# Allegro board RK3588S_Template_LP4XD556P164SD10H2_33X33_2133MHz_H1R6_V10_20220315YWQ.brd (continued)
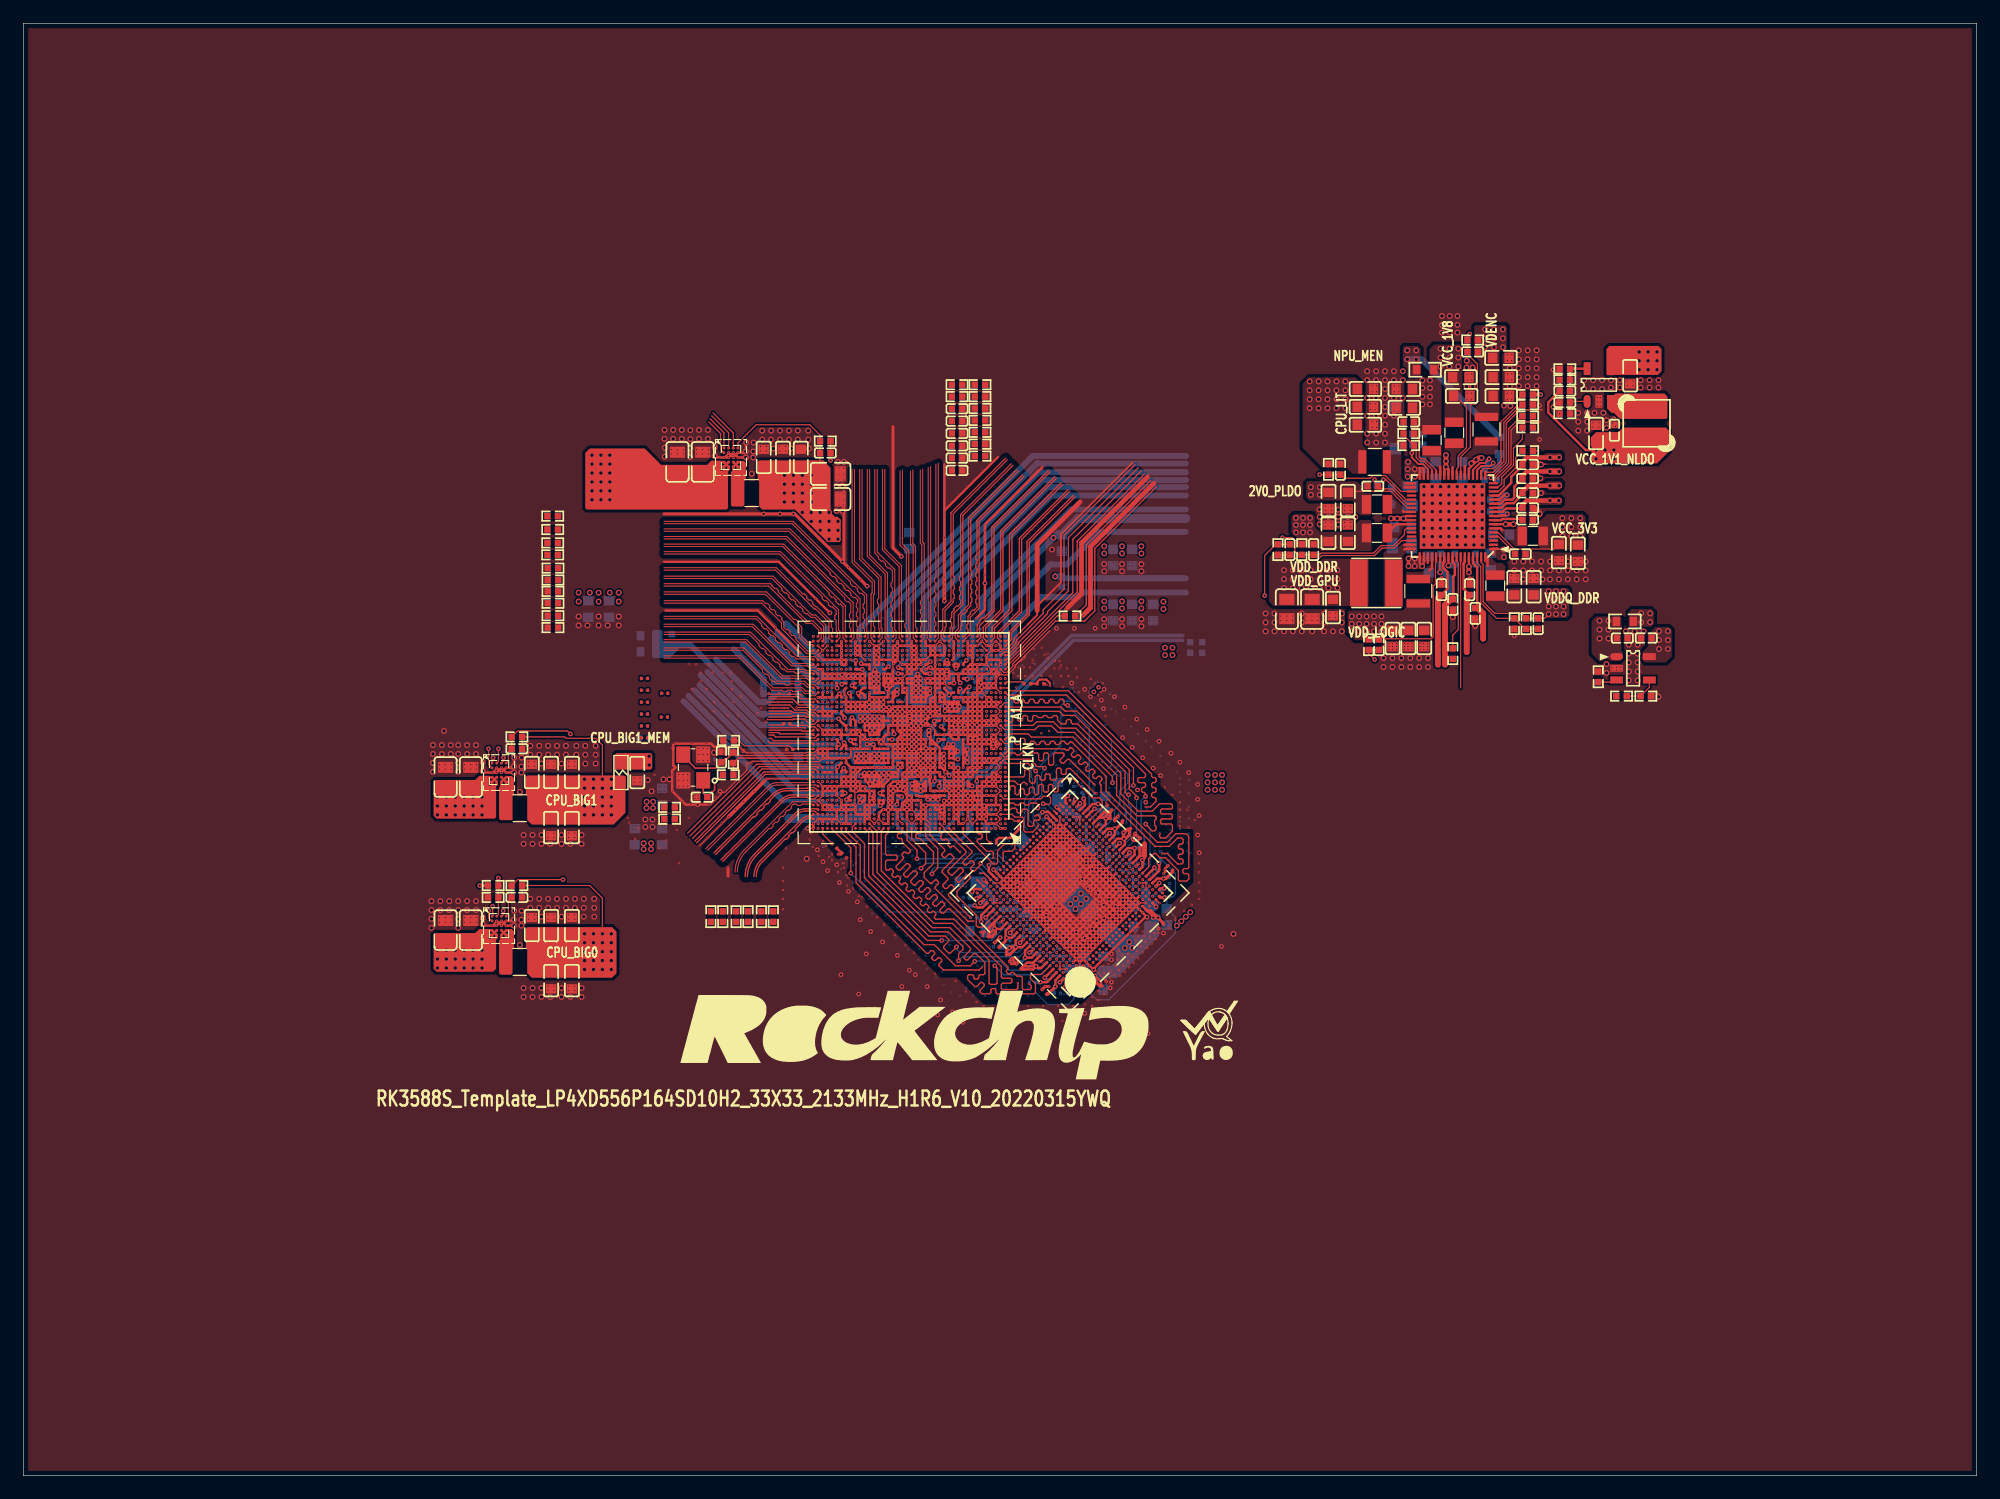
[diagram p0: board, top side]
## Routing (per net, layer and track width the routed paths; a pad name or vN(x,y) marks a point on that pad's centre or on a via; arc(x,y) is an arc through that point) (continued)
; v1(74.69,61.3) v7(75.09,61.3) ; v7(74.69,61.7) v7(75.09,61.7) ; v7(74.69,61.7) v7(74.69,62.1) ; v7(75.09,64.5) v7(74.69,64.5) ; v7(75.09,64.5) U1000.AD22 ; v7(75.09,64.5) v7(75.09,64.1) ; v7(74.69,64.5) v7(74.29,64.5) ; v7(74.69,64.5) v7(74.69,64.1) ; v7(92.8,50.92) v7(92.52,51.2) ; v7(92.8,50.92) v7(93.08,50.63) ; v7(92.8,50.92) 91.42,49.53 ; v7(92.8,50.92) v7(93.08,51.2) ; v7(92.52,51.2) 91.14,49.82 ; v1(91.11,52.61) v7(91.39,52.33) ; v1(91.11,52.61) v4(90.81,52.32) v4(86.87,48.38) v1(86.58,48.09) ; v1(91.11,52.61) v1(91.39,52.9) ; v7(91.39,52.33) 91.31,52.25 v4(91.31,51.82) 91.44,51.82 ; v7(91.39,52.33) v7(91.67,52.05) ; v7(91.39,52.33) v7(91.67,52.61) ; v7(91.39,52.33) 86.94,47.88 ; v1(79.89,56.5) v1(79.49,56.5) ; v1(79.89,56.5) 79.89,56.89 v7(79.88,56.9) ; v1(79.89,56.5) v7(79.89,56.1) ; v7(93.08,50.63) v7(93.37,50.35) ; v7(93.08,50.63) v7(88.56,46.11) ; v7(93.08,50.63) v7(93.37,50.92) ; v7(75.89,60.9) v1(76.29,60.9) ; v7(75.89,60.9) v1(75.89,61.3) ; v7(75.89,60.9) 75.51,60.9 75.49,60.88 ; v5(41.91,46.99) v1(41.24,46.99) v1(40.84,47.39) v1(40.44,46.99) v1(40.04,46.99) 39.37,46.99 v5(39.24,47.12) ; v7(86.01,52.61) v7(86.3,52.33) ; v7(86.01,52.61) v7(85.73,52.9) ; v7(86.01,52.61) v7(86.3,52.9) ; v7(88.28,45.82) v7(88.56,46.11) ; v7(88.28,45.82) v7(88.56,45.54) ; v7(88.28,45.82) v7(87.99,46.11) ; v7(88.56,46.11) v7(88.84,45.82) ; v7(88.56,46.11) v7(88.28,46.39) ; v1(85.19,50.63) 85.17,50.63 ; v1(85.19,50.63) 85.19,50.65 v4(85.43,50.88) ; 85.73,51.18 85.75,51.18 91.01,45.92 ; 85.73,51.18 85.73,51.2 v7(85.45,51.48) ; 85.73,51.18 85.44,50.88 ; 93.22,48.24 v1(93.37,48.09) ; 93.22,48.24 v7(87.71,53.74) ; v1(75.89,69.3) v7(75.49,69.3) ; v1(75.89,69.3) v1(75.89,68.9) ; v1(75.89,69.3) v7(75.89,69.7) ; v1(75.89,69.3) v1(76.29,69.3) ; v7(75.49,69.3) v1(75.09,69.3) ; v7(75.49,69.3) v1(75.49,68.5) v1(75.89,68.5) v1(75.89,68.9) ; v1(81.09,69.3) v7(81.49,69.3) ; v1(81.09,69.3) v1(81.09,69.7) v1(81.09,70.1) ; v1(81.09,69.3) v1(81.09,68.5) ; v7(81.49,69.3) 81.49,68.88 ; v7(81.49,69.3) v1(81.89,69.3) U1000.AT5 82.29,69.77 ; v7(71.09,70.5) v7(71.09,70.1) v1(71.49,70.1) v7(71.49,70.5) ; v7(71.09,70.5) v7(71.09,70.9) ; v7(71.09,70.5) v7(71.49,70.5) ; v7(68.29,65.3) v7(67.89,65.3) ; v7(68.29,65.3) v7(68.69,65.3) ; v7(68.29,65.3) v7(68.29,64.9) v7(68.69,64.9) ; v7(68.29,65.3) v1(68.29,65.7) ; v1(71.49,58.9) 71.49,58.54 71.45,58.5 ; v1(71.49,58.9) v1(71.89,58.9) 71.91,58.88 71.91,58.5 71.45,58.5 ; U1000.U20 v7(77.09,61.7) ; U1000.U20 76.29,61.67 ; U1000.U20 76.3,61.71 v4(76.3,62.08) ; v7(77.09,61.7) v1(77.09,61.3) ; v7(71.49,70.5) v7(71.49,70.9) v7(71.09,70.9) ; 74.68,69.7 v1(74.69,69.7) v7(74.69,70.15) ; 74.68,69.7 v1(74.37,69.39) 74.29,69.47 v1(74.29,69.7) ; 74.68,69.7 v1(74.29,69.7) ; v1(77.89,66.1) v1(77.89,66.5) ; v1(77.89,66.1) v1(77.89,65.7) ; v1(77.89,66.1) v1(77.49,66.1) ; v1(77.89,66.5) 77.7,66.5 77.62,66.42 v1(77.49,66.42) v1(77.49,66.1) ; v1(93.37,47.52) v1(93.65,47.24) ; v1(93.37,47.52) v1(93.08,47.24) ; v1(93.37,47.52) v1(93.65,47.8) ; v1(93.65,47.24) v1(93.37,46.96) ; v7(69.09,65.3) v7(69.09,64.9) v7(68.69,64.9) ; v7(69.09,65.3) v7(69.49,65.3) ; v7(69.09,65.3) v7(68.69,65.3) ; v1(92.24,45.82) v1(91.95,45.54) ; v1(92.24,45.82) v1(92.52,46.11) ; v7(90.26,44.41) v7(89.97,44.69) ; v7(90.26,44.41) v7(90.54,44.69) ; v7(90.26,44.41) v7(89.97,44.13) ; v7(89.97,44.69) v7(89.69,44.41) ; v7(89.97,44.69) v1(90.26,44.98) ; v7(89.97,44.69) v1(89.69,44.98) ; v1(74.29,69.7) v7(74.29,70.1) ; v1(74.29,69.7) v1(73.09,69.7) ; v7(74.29,70.1) 74.64,70.1 v7(74.69,70.15) ; v4(82.23,56.13) 82.2,56.1 v1(81.89,56.1) ; v4(82.23,56.13) 82.3,56.2 v7(82.3,56.5) v7(82.3,56.9) ; v4(82.23,56.13) 82.23,55.77 U1000.B5 82.29,55.7 v7(82.68,55.7) v1(83.09,55.7) ; 81.09,63.2 v4(80.91,63.01) ; v4(80.91,63.01) 80.69,63.22 ; v1(90.82,45.54) v1(91.11,45.26) ; v1(90.82,45.54) v1(91.11,45.82) ; v1(90.82,45.54) 90.68,45.69 ; v1(91.11,45.26) v1(90.82,44.98) ; v1(91.11,45.26) v1(91.39,45.54) ; v1(91.11,45.26) v1(91.39,44.98) ; v1(79.89,58.9) v4(79.89,58.5) ; v1(79.89,58.9) v1(80.29,58.9) ; v1(71.89,56.9) v1(72.29,56.9) ; v1(71.89,56.9) v1(71.89,57.3) v7(72.26,57.3) 72.29,57.3 ; v1(71.09,60.1) v1(70.69,60.1) ; v1(71.09,60.1) v7(71.09,60.5) ; v1(70.69,60.1) v1(70.69,59.7) ; v1(70.69,60.1) U1000.P34 ; 81.09,64.19 v1(81.09,63.7) ; 69.93,63.3 v1(69.49,63.3) ; 69.93,63.3 69.89,63.33 ; v1(69.49,63.3) v7(69.09,63.3) ; v1(69.49,63.3) v1(69.49,63.7) ; v7(70.29,66.1) v7(70.29,66.5) ; v7(70.29,66.1) v7(70.69,66.1) ; v7(70.29,66.1) v1(69.89,66.1) ; 55.52,62.15 55.45,62.15 ; 55.52,62.15 55.52,62.43 v1(55.63,62.53) v1(57.1,62.53) v1(58.37,62.53) 58.75,62.53 59,62.28 v1(59.45,62.28) ; v1(84.88,51.48) v7(85.17,51.76) ; v1(84.88,51.48) v1(84.6,51.2) ; v7(90.26,53.46) v7(90.54,53.74) ; v7(90.26,53.46) v7(89.97,53.74) ; v4(80.42,64.11) 80.37,64.16 ; 80.37,64.16 v4(80.01,64.16) ; v1(79.89,68.5) v1(79.49,68.5) v1(78.29,68.5) ; v1(79.89,68.5) v1(80.29,68.5) ; v1(79.89,68.5) v1(79.89,68.1) 79.89,67.96 80.04,67.82 v4(80.04,67.74) ; v4(74.66,70.9) v7(75.09,70.9) v7(75.49,70.9) v7(75.89,70.9) ; v4(74.66,70.9) 74.69,70.94 ; U1000.AU4 v7(83.49,69.7) v1(83.49,69.3) ; 83.27,87.04 78.69,82.46 ; 78.69,82.46 78.69,86.41 ; 78.69,82.46 v7(78.69,80.14) ; v7(88.56,45.54) v7(88.84,45.82) ; v7(88.56,45.54) v7(88.84,45.26) ; v7(70.69,66.1) 71.07,66.1 ; v7(70.69,66.1) 70.69,66.1 v1(70.69,65.7) ; 71.07,66.1 71.09,66.08 v1(71.09,65.7) ; 71.07,66.1 v7(71.09,66.1) 71.45,66.1 ; v7(71.09,68.5) v7(70.69,68.5) ; v7(71.09,68.5) v1(71.49,68.5) ; v7(80.69,66.15) 80.64,66.1 v7(80.29,66.1) v1(80.29,66.5) ; v7(80.69,66.15) 80.74,66.1 v7(81.09,66.1) ; v7(80.69,66.15) v1(80.69,66.5) ; 73.86,68.5 73.89,68.47 73.89,67.13 ; 73.86,68.5 v1(74.29,68.5) ; v7(73.89,58.9) v1(74.29,58.9) ; v7(73.89,58.9) v7(73.89,58.5) ; v1(74.29,58.9) v7(75.09,58.9) ; v1(74.29,58.9) 74.29,58.44 ; v7(76.69,63.3) v7(76.69,62.9) ; v7(76.69,63.3) v4(76.29,63.3) ; v7(76.69,63.3) v1(76.69,63.7) ; v7(76.69,62.9) v1(76.69,62.5) ; v7(76.69,62.9) v7(77.09,62.9) v1(77.09,62.5) ; v7(76.69,62.9) v4(76.29,62.9) ; v7(82.29,66.1) v1(81.86,66.1) ; v7(82.29,66.1) v1(82.29,65.7) ; v7(82.29,66.1) U1000.AJ5 ; v7(82.29,66.1) v7(82.69,66.1) ; v1(81.86,66.1) 81.89,66.07 v1(81.89,65.7) ; v1(81.86,66.1) U1000.AH7 ; v1(76.29,61.3) v1(76.29,60.9) ; v1(76.29,61.3) v1(75.89,61.3) ; v1(76.29,61.3) 76.62,61.3 v4(76.66,61.26) ; v1(76.29,61.3) v7(76.29,61.65) 76.29,61.67 ; v1(76.29,60.9) 76.29,60.46 v4(76.3,60.45) ; v1(76.29,60.9) 76.62,60.9 v4(76.66,60.86) ; v1(90.26,44.98) v7(90.54,44.69) ; v1(90.26,44.98) v4(89.97,45.26) ; v7(87.15,47.52) 89.09,49.47 ; v7(87.15,47.52) 87.38,47.75 v4(87.38,47.88) 86.94,47.88 ; v7(87.15,47.52) v7(86.86,47.24) ; v7(87.15,47.52) v7(87.43,47.24) ; 89.09,49.47 89.09,49.54 ; 89.09,49.47 91.44,51.82 ; v1(92.24,46.96) v1(92.52,46.67) ; v1(92.24,46.96) v1(91.95,46.67) ; v1(92.24,46.96) v1(91.31,47.88) 90.75,48.45 ; v1(92.24,46.96) v1(92.52,47.24) ; v1(92.52,46.67) v1(92.8,46.39) ; v1(92.52,46.67) v1(92.8,46.96) ; v7(73.49,65.3) v1(73.49,66.5) ; v7(73.49,65.3) v7(73.09,65.3) ; v7(73.49,65.3) v7(73.89,65.3) ; v1(73.49,66.5) v1(73.89,66.5) v1(73.89,66.9) 73.89,67.13 ; v1(73.49,66.5) v1(73.09,66.5) ; v1(93.37,48.09) v1(93.65,47.8) ; v1(69.49,58.47) 69.49,58.87 v1(69.47,58.9) v1(69.92,58.9) ; v1(69.49,58.47) 69.46,58.5 v7(69.09,58.5) ; v1(69.49,58.47) v1(69.49,58.1) ; v7(68.29,66.5) v7(68.29,66.9) ; v7(68.29,66.5) v7(68.69,66.5) v7(69.09,66.5) v1(69.09,66.9) ; v7(68.29,66.5) v7(67.89,66.5) ; v7(69.89,69.7) v1(70.29,69.7) v7(70.29,69.3) v1(69.89,69.3) v7(69.89,69.7) ; v7(69.89,69.7) v1(69.89,70.1) v7(69.89,70.5) v7(69.89,70.9) ; v7(75.09,61.7) v7(75.09,62.1) ; v7(75.09,61.7) v7(75.49,61.7) v7(75.89,61.7) ; v7(75.09,61.7) v7(75.09,61.3) ; v7(75.09,62.1) v7(74.69,62.1) ; v7(75.09,62.1) v7(75.09,62.5) ; v1(91.11,45.82) v1(91.39,46.11) ; v1(91.11,45.82) v1(91.39,45.54) ; v1(91.11,45.82) 91.01,45.92 ; v1(91.39,46.11) v1(91.67,46.39) ; v1(91.39,46.11) v1(91.67,45.82) ; v1(91.39,46.11) v7(85.73,51.76) ; v1(72.29,66.5) v1(72.69,66.5) ; v1(72.29,66.5) v7(72.29,66.9) ; v1(72.29,66.5) v7(72.29,65.3) ; v1(72.69,66.5) v1(72.69,66.13) U1000.AH29 ; v1(72.69,66.5) v1(73.09,66.5) ; v4(75.9,62.08) 75.89,62.08 v4(75.89,62.5) ; v4(75.9,62.08) 75.89,62.07 v7(75.89,61.7) ; v4(75.9,62.08) v4(76.3,62.08) ; v4(89.97,45.26) 84.88,50.35 ; v4(89.97,45.26) v1(89.69,44.98) ; 84.88,50.35 84.88,50.38 ; 84.88,50.35 84.88,50.38 ; 84.88,50.35 84.88,50.35 85.17,50.63 ; 84.88,50.35 v7(84.6,50.07) ; v4(76.66,64.03) 76.69,64.07 ; v4(76.66,64.03) 76.66,63.73 v1(76.69,63.7) ; v7(89.41,44.69) v7(89.69,44.41) ; v7(89.41,44.69) v7(89.13,44.98) ; v7(89.41,44.69) v1(89.69,44.98) ; v7(89.69,44.41) v7(89.97,44.13) ; v7(76.69,64.5) 76.69,64.07 ; v7(76.69,64.5) U1000.AE19 ; v7(76.69,64.5) 77.03,64.5 v4(77.06,64.47) ; v4(78.51,56.82) 78.69,56.64 ; v4(78.51,56.82) 78.29,56.6 ; v7(72.29,65.3) v7(72.69,65.3) ; v1(83.49,59.3) U1000.L3 v1(82.29,59.3) ; v7(69.09,68.5) v7(69.09,68.1) ; v7(69.09,68.5) v7(69.49,68.5) ; v7(69.09,68.5) v7(68.69,68.5) ; v7(69.09,68.1) v1(69.49,68.1) ; v7(69.09,68.1) v7(68.69,68.1) ; v7(75.49,66.9) v7(75.49,67.3) v1(75.09,67.3) ; v7(75.49,66.9) v1(75.49,65.7) ; v7(75.49,66.9) 75.09,66.9 v1(75.09,67.3) ; v7(84.03,50.63) v7(83.75,50.92) ; v7(89.41,54.31) v7(89.69,54.59) ; v7(89.41,54.31) v7(89.69,54.03) ; v1(81.89,57.7) 81.89,57.7 81.89,59.31 ; v1(81.89,57.7) v1(81.89,56.1) ; v1(81.89,57.7) v1(81.09,57.7) ; v7(93.37,50.35) v7(88.84,45.82) ; v7(93.37,50.35) v7(93.65,50.63) ; v7(73.09,65.7) v7(73.09,65.3) ; v7(73.09,65.7) 73.47,65.7 v4(73.51,65.66) ; v7(73.09,65.7) v1(73.09,66.1) ; v7(73.09,65.7) v7(72.69,65.7) ; v7(73.09,65.3) v7(72.69,65.3) ; 83.09,67.74 v1(83.09,68.1) v7(83.09,68.5) ; 83.09,67.74 83.04,67.69 v1(82.69,67.69) ; v4(76.66,60.86) 76.66,60.53 v7(76.69,60.5) ; v4(76.66,60.86) 77.04,60.86 v4(77.06,60.88) ; v4(76.66,60.86) v4(76.66,61.26) ; v7(71.09,70.9) v7(71.09,71.3) ; v1(80.69,57.7) v1(81.09,57.7) ; v1(80.69,57.7) v1(80.69,57.3) ; v1(80.69,57.7) v1(80.69,58.5) ; 91.01,45.92 v4(90.68,45.92) 90.68,45.85 ; v1(80.69,68.5) v1(81.09,68.5) ; v1(80.69,68.5) v1(80.29,68.5) ; v1(81.09,68.5) v1(81.49,68.5) ; v1(74.29,68.9) v1(74.29,68.5) ; v1(74.29,68.5) v1(74.29,68.1) ; 88.91,49.15 v1(89.03,49.15) ; 88.91,49.15 88.94,49.12 ; v4(85.43,50.88) 85.44,50.88 ; 72.29,57.3 v1(72.69,57.3) v1(72.69,57.7) ; 72.29,57.3 v1(72.29,56.9) ; v1(70.29,59.7) v1(69.89,59.7) v1(69.89,59.3) ; v1(70.29,59.7) v1(70.69,59.7) ; v1(70.29,59.7) v1(70.29,59.3) ; v7(73.89,58.09) 73.9,58.1 v1(74.29,58.1) ; v7(73.89,58.09) U1000.G26 ; v7(73.89,58.09) v7(73.89,58.5) ; v7(75.89,60.1) 76.35,60.1 ; v7(75.89,60.1) v7(75.49,60.1) ; v1(80.29,56.9) 80.29,56.9 v7(82.3,56.9) ; v1(80.29,56.9) 79.89,56.9 v7(79.88,56.9) ; v1(86.82,43.92) 86.93,43.92 v7(87.15,44.13) ; v7(81.09,70.9) v7(81.49,70.9) ; v7(81.09,70.9) v7(80.69,70.9) ; v7(81.09,70.9) v7(81.09,70.5) ; v1(73.49,62.9) v1(72.29,62.9) v1(71.89,62.9) ; v1(73.49,62.9) 73.49,63.1 73.7,63.3 v1(73.89,63.3) v7(73.89,64.1) v7(74.29,64.1) ; v1(73.49,62.9) v7(73.49,62.51) 73.48,62.5 ; v1(75.49,58.5) v7(75.49,58.9) ; v1(75.49,58.5) U1000.J24 ; v7(75.49,58.9) v1(75.49,59.3) ; v7(75.49,58.9) v7(75.09,58.9) ; 71.89,56.06 v7(71.89,55.7) ; v4(77.49,64.9) v1(77.89,64.9) ; v4(77.49,64.9) 77.49,64.89 v4(77.06,64.47) ; v4(77.49,64.9) v7(77.49,65.3) ; v4(77.49,64.9) 77.09,64.9 v4(77.06,64.87) ; v1(77.89,64.9) v7(77.89,65.3) ; v1(77.89,64.9) v1(78.69,64.9) ; v7(74.69,62.1) v7(74.29,62.1) ; v7(74.69,62.1) v1(74.69,62.5) ; v7(88.28,46.39) 89.69,47.81 ; v7(88.28,46.39) v7(87.99,46.67) ; v7(88.28,46.39) v7(87.99,46.11) ; v7(94.78,48.94) v7(94.5,49.22) ; v7(94.78,48.94) v7(94.5,48.65) ; v7(94.78,48.94) v7(95.06,48.65) ; v1(78.29,68.9) 78.67,68.9 ; v1(78.29,68.9) v1(78.29,68.5) ; 78.67,68.9 v1(79.06,68.9) 79.09,68.86 v1(79.09,68.1) v1(78.69,68.1) ; 78.67,68.9 v1(78.69,68.88) v1(78.69,68.1) ; v1(92.8,46.96) v1(93.08,46.67) ; v1(92.8,46.96) v1(92.52,47.24) ; v1(92.8,46.96) v1(93.08,47.24) ; v1(93.08,46.67) v1(92.8,46.39) ; v1(93.08,46.67) v1(93.37,46.96) ; v1(81.09,60.5) v7(80.69,60.5) U1000.N9 ; v1(81.09,60.5) v1(81.49,60.5) ; v7(83.09,64.5) 83.09,64.91 v1(83.08,64.92) 82.73,64.92 v7(82.69,64.89) 82.68,64.87 v7(82.68,64.52) ; v7(83.09,64.5) 83.08,64.52 v7(82.68,64.52) ; v7(83.09,64.5) v7(83.09,64.1) v7(82.69,64.1) ; v7(83.09,64.5) v7(83.49,64.5) ; U1000.K36 v1(69.92,58.9) ; v1(69.92,58.9) 69.89,58.93 v1(69.89,59.3) ; v1(69.92,58.9) v1(70.29,58.9) ; 80.69,63.22 v1(80.69,63.3) ; v7(93.08,51.2) v7(93.37,51.48) ; v7(93.08,51.2) v7(93.37,50.92) ; v1(69.49,56.9) 69.49,56.9 v7(69.49,56.1) ; v1(69.49,56.9) v1(69.09,56.9) ; v1(69.49,56.9) v7(69.89,56.9) 69.93,56.9 ; v1(81.49,60.5) v1(81.49,60.1) U1000.N9 ; v1(70.29,57.3) v1(70.69,57.3) v1(71.09,57.3) v1(71.09,56.9) ; v1(70.29,57.3) v1(69.89,57.3) ; v1(70.29,57.3) v7(70.29,56.9) ; v4(76.4,60.05) 76.4,59.74 76.43,59.72 ; v4(76.4,60.05) 76.63,60.05 v1(76.71,60.12) ; v4(76.4,60.05) 76.35,60.1 ; v7(85.45,52.05) v7(85.73,51.76) ; v7(85.45,52.05) v7(85.17,51.76) ; v7(85.45,52.05) v7(85.17,52.33) ; v7(85.73,51.76) v7(85.45,51.48) ; v7(75.09,58.9) 74.75,58.9 v4(74.73,58.93) 74.69,58.96 ; v7(75.09,58.9) 75.09,58.66 v4(75.18,58.57) ; v7(75.09,58.9) v1(75.09,59.3) ; v1(70.29,59.3) v1(70.69,59.3) ; v1(70.29,59.3) v1(69.89,59.3) ; v1(70.29,59.3) v1(70.29,58.9) ; v1(70.69,59.3) v1(70.69,59.7) ; v7(76.69,60.5) 76.69,60.14 v1(76.71,60.12) ; v7(76.69,60.5) 76.64,60.45 v4(76.3,60.45) ; v7(76.69,60.5) v7(75.49,60.5) 75.49,60.5 ; v7(76.69,60.5) v7(77.09,60.5) ; 85.17,50.63 v1(84.88,50.92) ; v1(77.09,64.1) 76.72,64.1 76.69,64.07 ; v1(77.09,64.1) 77.43,64.1 ; v1(77.09,64.1) 77.06,64.13 v4(77.06,64.47) ; v7(68.69,63.3) v7(68.69,63.7) ; v7(68.69,63.3) v7(69.09,63.3) ; v7(68.69,63.3) v7(68.29,63.3) v7(68.29,63.7) v7(68.69,63.7) ; v7(68.69,63.7) v7(69.09,63.7) ; v1(78.29,56.5) v7(78.29,56.1) v7(78.69,56.1) ; v1(78.29,56.5) 78.29,56.6 ; v1(78.29,56.5) v7(78.69,56.5) ; v1(80.29,66.5) v1(80.69,66.5) ; v1(80.29,66.5) v1(79.89,66.5) v1(79.49,66.5) ; v1(80.69,66.5) v1(81.09,66.5) ; v7(85.17,49.5) v7(89.69,54.03) ; v7(85.17,49.5) v7(84.88,49.22) ; v7(69.09,63.7) v7(69.09,63.3) ; v7(69.09,63.7) v1(69.49,63.7) ; v7(87.99,46.67) v1(87.71,46.39) ; v7(87.99,46.67) v1(87.71,46.96) ; v7(87.99,46.67) 89.39,48.07 ; v1(77.09,71.3) v1(77.09,70.9) v7(77.49,70.9) ; v7(92.24,52.05) v7(91.95,52.33) ; v7(85.45,51.48) v7(85.17,51.76) ; v1(73.09,66.1) 73.42,66.1 v4(73.46,66.07) 73.51,66.01 v4(73.51,65.66) ; v1(73.09,66.1) v1(73.09,66.5) ; v1(73.09,66.1) U1000.AH29 ; v1(74.69,63.7) v7(74.69,64.1) ; v1(74.69,63.7) v1(75.09,63.7) ; v7(74.69,64.1) v7(75.09,64.1) ; v7(74.69,64.1) v7(74.29,64.1) ; v1(90.82,53.46) v7(90.54,53.74) ; v1(90.82,53.46) v1(91.11,53.74) ; v1(90.82,53.46) v7(91.11,53.18) ; v7(90.54,53.74) v7(90.26,54.03) ; U1000.AD22 U1000.AE22 ; U1000.AD22 v7(75.49,64.1) ; U1000.AE22 75.49,65.25 75.49,65.25 ; 73.48,62.5 v7(73.14,62.5) 73.09,62.54 v7(73.09,62.9) ; 73.48,62.5 v1(73.89,62.5) v1(74.69,62.5) ; v7(75.09,59.7) v7(75.49,59.7) ; v7(75.09,59.7) v1(75.09,59.3) ; v7(75.09,59.7) 75.09,59.98 75.21,60.1 v7(75.49,60.1) ; v7(75.49,59.7) v1(75.49,59.3) ; v7(75.49,59.7) v7(75.49,60.1) ; v7(89.69,54.03) v7(89.97,53.74) ; v7(89.69,54.03) v7(89.97,54.31) ; v7(89.97,53.74) v7(90.26,54.03) ; v7(81.49,62.1) v1(81.89,62.1) ; v7(81.49,62.1) v1(81.49,61.7) ; v7(81.49,62.1) v1(81.09,62.1) ; v7(81.49,62.1) v7(81.49,62.5) ; v1(81.49,68.5) 81.49,68.88 ; v1(81.49,68.5) v1(81.89,68.5) ; v7(82.69,64.1) v1(82.29,64.1) ; v7(82.69,64.1) 82.69,64.5 v7(82.68,64.52) ; 71.49,65.8 v4(71.68,65.99) 71.89,65.78 ; 71.49,65.8 71.49,66.06 71.45,66.1 ; 71.49,65.8 v1(71.49,65.7) ; v4(88.84,54.31) v1(88.56,54.59) ; v4(88.84,54.31) v1(88.56,54.59) ; v1(88.56,54.59) v1(88.28,54.88) ; v1(88.56,54.59) v7(88.28,54.31) ; v7(72.69,65.7) U1000.AH29 ; v7(72.69,65.7) v7(72.69,65.3) ; 77.49,61.33 77.52,61.3 v1(77.89,61.3) ; 77.49,61.33 77.47,61.3 v1(77.09,61.3) ; v7(68.69,68.5) v7(68.69,68.1) ; v7(68.69,68.5) v7(68.29,68.5) ; v7(68.69,68.1) v7(68.29,68.1) v7(68.29,68.5) ; v7(73.89,65.3) 74.27,65.3 v4(74.27,65.3) ; v4(87.42,56.3) v1(87.71,56.01) v7(87.99,55.72) v7(88.28,55.44) ; v1(71.49,65.3) v1(71.49,65.7) ; v1(71.49,65.3) v1(71.09,65.3) ; v1(71.49,65.7) v1(71.09,65.7) ; v1(84.6,51.2) v1(84.88,50.92) ; v1(80.29,59.7) 80.29,60.05 v1(80.34,60.1) ; v1(80.29,59.7) v1(79.89,59.7) v1(79.49,59.7) ; v7(79.88,57.28) 79.86,57.3 v7(79.5,57.3) 79.5,57.3 v1(79.09,57.3) ; v7(79.88,57.28) v7(79.88,56.9) ; v1(79.49,60.5) 79.49,56.1 v7(79.49,56.1) v7(79.89,56.1) ; v1(79.49,60.5) v1(79.49,60.9) v1(79.09,60.9) v1(79.09,60.5) v1(79.49,60.5) ; v7(85.73,52.9) v7(86.01,53.18) ; v7(85.73,52.9) v7(85.45,52.61) ; v7(86.01,53.18) v7(86.3,52.9) ; v7(86.01,53.18) v7(86.3,53.46) ; v1(77.89,61.3) 77.89,61.3 v7(77.89,60.9) ; v1(80.69,64.5) v1(80.69,63.7) ; v4(77.06,60.88) 77.09,60.91 v1(77.09,61.3) ; v4(77.06,60.88) 77.09,60.86 v7(77.09,60.5) ; v1(91.67,46.39) v1(91.95,46.67) ; v1(91.67,46.39) 91.34,46.72 v4(91.31,46.72) 91.31,46.75 90.24,47.82 v1(90.24,47.82) 90.24,47.82 90.18,47.88 ; 82.25,58.9 82.29,58.94 v1(82.29,59.3) ; 82.25,58.9 v7(82.29,58.9) v7(82.76,58.9) ; 82.25,58.9 81.49,58.9 ; 74.69,70.94 v1(74.69,71.3) ; 74.69,70.94 v7(74.69,70.54) ; v1(77.89,65.7) v7(77.89,65.3) ; v1(77.89,65.7) v1(78.29,65.7) 78.29,65.3 v4(78.21,65.22) ; v1(77.89,65.7) v1(77.49,65.7) ; v7(86.3,52.33) 89.09,49.54 ; v7(86.3,52.33) v7(86.58,52.61) ; v1(74.29,67.7) v1(74.29,68.1) ; v1(74.29,67.7) 74.29,67.53 73.89,67.13 ; v1(74.29,67.7) v1(75.09,67.7) ; 74.69,58.96 U1000.J24 ; v7(78.69,70.9) v7(78.69,70.5) v1(78.69,70.1) v7(78.29,70.1) v1(77.89,70.1) ; 89.09,49.54 89.22,49.4 ; v1(76.69,57.3) v7(76.69,56.9) ; v1(69.09,56.9) v7(69.09,57.3) v7(68.69,57.3) ; v1(69.09,56.9) v7(68.69,56.9) ; v1(79.49,64.9) v1(79.89,64.9) ; v1(79.49,64.9) v1(79.09,64.9) ; v1(79.49,64.9) v1(79.49,64.5) ; v1(93.65,47.8) v1(93.93,48.09) ; v7(86.86,53.46) v7(87.15,53.74) ; v7(86.86,53.46) v7(86.58,53.74) ; v7(86.86,53.46) v7(86.58,53.18) ; v7(87.15,53.74) v7(86.86,54.03) ; v7(87.15,53.74) v7(87.43,54.03) ; v7(87.15,53.74) v7(87.43,53.46) ; v1(81.89,65.7) v1(81.49,65.7) ; v1(81.89,65.7) v1(82.29,65.7) ; v1(81.89,65.7) v7(81.89,64.9) ; v1(81.49,65.7) v1(81.49,65.3) ; v1(81.49,65.7) v1(81.09,65.7) ; v1(81.49,65.7) U1000.AH7 ; v1(80.29,58.5) v1(80.69,58.5) ; v1(80.29,58.5) v1(80.29,58.9) ; v1(80.29,58.5) v4(79.89,58.5) ; v4(82.89,51.78) v7(83.19,51.48) v7(83.47,51.2) v7(83.75,50.92) ; v1(75.09,63.7) v7(75.49,63.7) ; v1(75.09,63.7) v7(75.09,64.1) ; v7(75.49,63.7) v7(75.49,64.1) ; v7(82.69,60.9) v7(82.69,61.3) ; v7(75.09,62.9) v7(75.49,62.9) ; v7(75.09,62.9) v1(74.69,62.9) ; v7(75.09,62.9) v7(75.09,62.5) ; v7(75.49,62.9) v4(76.29,62.9) ; v7(75.49,62.9) v7(75.49,62.5) ; v7(77.89,65.3) 78.13,65.3 v4(78.21,65.22) ; v7(77.89,65.3) v7(77.49,65.3) ; v7(81.49,56.5) v7(81.49,56.1) v1(81.89,56.1) ; v7(81.49,56.5) v7(81.49,57.3) ; v7(81.49,56.5) 81.49,56.5 v1(82.69,56.5) ; v7(78.69,56.5) 78.69,56.64 ; v7(78.69,56.5) v7(78.69,56.1) ; 78.69,56.64 v1(78.69,57.3) ; v1(70.14,67.07) 70.14,67.14 v1(70.29,67.3) ; v1(82.29,65.7) v7(82.69,65.7) ; 82.37,57.3 v7(82.69,57.3) v7(83.09,57.3) ; 82.37,57.3 82.3,57.22 v7(82.3,56.9) ; 82.37,57.3 v7(81.49,57.3) ; v1(87.71,54.88) v1(87.99,54.59) ; v1(87.71,54.88) v7(87.43,54.59) ; v1(87.71,54.88) v7(87.99,55.16) ; v1(87.99,54.59) v7(87.71,54.31) ; v1(87.99,54.59) v1(88.28,54.88) ; v1(87.99,54.59) v7(88.28,54.31) ; v7(91.67,52.61) v7(91.95,52.33) ; v7(91.67,52.61) v1(91.39,52.9) ; v7(91.95,52.33) v7(91.67,52.05) ; v7(75.89,70.9) v7(75.89,70.5) ; v7(75.89,70.9) v7(76.29,70.9) v7(76.29,70.5) ; v7(75.89,70.9) v1(75.89,71.3) ; v7(90.26,54.03) v7(89.97,54.31) ; v7(75.49,60.1) 75.49,60.5 ; 75.49,60.5 75.49,60.88 ; v7(84.88,49.22) v7(85.17,48.94) ; v7(85.17,48.94) v7(85.45,48.65) ; v1(74.29,56.9) 74.22,56.97 v1(74.22,57.33) ; v1(74.29,56.9) 73.92,56.9 v4(73.89,56.87) 73.86,56.9 v1(73.49,56.9) 73.41,56.9 v7(73.09,56.58) v7(73.09,56.1) ; v1(74.29,56.9) 74.75,56.9 ; v7(74.29,64.5) v7(74.29,64.1) ; v7(91.67,52.05) 91.44,51.82 ; v1(77.49,65.7) v7(77.49,65.3) ; v1(77.49,65.7) v1(77.49,66.1) ; v7(76.69,56.9) v7(77.09,56.9) ; v7(75.49,64.1) v7(75.09,64.1) ; v7(88.84,45.82) v7(89.13,45.54) ; 73.09,70.21 v4(73.03,70.15) 72.98,70.1 v7(72.69,70.1) ; 73.09,70.21 v7(73.09,70.5) ; 73.09,70.21 v1(73.09,69.7) ; v1(82.29,64.5) 82.31,64.52 v7(82.68,64.52) ; v1(82.29,64.5) v1(82.29,64.1) ; v1(81.49,58.9) 81.49,58.9 ; 81.49,58.9 81.49,58.89 v1(81.49,58.5) ; v7(69.49,68.5) v1(69.49,68.1) ; v7(69.49,68.5) 70.02,68.5 ; v1(93.37,46.96) v1(93.08,47.24) ; 69.93,56.9 69.89,56.93 v1(69.89,57.3) ; 69.93,56.9 v7(70.29,56.9) ; v7(69.09,55.7) 69.09,56.05 v7(69.04,56.1) ; v1(76.69,62.5) v1(77.09,62.5) ; v1(76.69,62.5) v4(76.29,62.5) ; v1(91.67,53.18) v1(91.39,52.9) ; v1(91.39,52.9) v7(91.11,53.18) ; v1(86.01,48.65) U3700.AC12 ; v1(86.01,48.65) v1(85.73,48.37) ; U3700.AC12 v7(86.01,48.09) ; U3700.AC12 v1(86.58,48.09) ; v7(75.89,70.1) v7(76.29,70.1) ; v7(75.89,70.1) v7(75.89,69.7) ; v7(75.89,70.1) v7(75.89,70.5) ; v7(76.29,70.1) v1(76.29,69.3) ; v7(76.29,70.1) v7(76.29,70.5) ; v1(74.69,62.5) v1(74.69,62.9) ; v1(74.69,62.5) v7(75.09,62.5) ; v1(67.49,55.7) v7(67.49,55.3) ; v7(74.69,70.15) v7(74.69,70.54) ; v7(68.29,61.7) v7(68.69,61.7) ; v7(68.29,61.7) v7(67.89,61.7) v7(67.89,62.1) v7(68.29,62.1) ; v7(68.29,61.7) v7(68.29,62.1) ; v7(68.69,61.7) v7(68.69,62.1) ; v7(93.65,50.63) v7(93.93,50.35) ; v7(93.65,50.63) v7(93.37,50.92) ; v7(70.29,68.5) v7(70.69,68.5) ; v7(70.29,68.5) v1(70.29,68.1) ; v7(70.29,68.5) 70.02,68.5 ; v7(70.69,68.5) v1(70.69,68.1) ; v7(89.97,54.31) v7(89.69,54.59) ; v7(89.97,44.13) v1(89.69,43.84) ; v1(86.58,48.09) v1(86.3,47.8) ; 74.69,56.84 74.75,56.9 ; 74.69,56.84 v7(74.69,56.52) U1000.C24 ; 74.69,56.84 v7(74.69,56.9) ; v7(77.49,70.5) 77.49,70.1 v1(77.89,70.1) ; v7(77.49,70.5) v7(77.89,70.5) ; v7(77.49,70.5) v7(77.49,70.9) ; v7(75.49,62.5) v7(75.09,62.5) ; v7(75.49,62.5) v4(75.89,62.5) ; v7(90.54,44.69) v1(90.82,44.98) ; v1(72.69,57.7) v1(72.69,58.1) ; v4(75.08,65.25) 75.06,65.28 v4(74.68,65.28) ; v4(75.08,65.25) 75.09,65.26 v1(75.09,65.7) ; v4(75.08,65.25) 75.49,65.25 ; v1(87.71,46.96) v7(87.43,46.67) ; v1(87.71,46.96) 89.1,48.35 ; v1(87.71,46.96) v7(87.43,47.24) ; v7(87.43,46.67) v1(87.71,46.39) ; v7(87.43,46.67) v7(87.15,46.39) ; v7(87.43,46.67) v7(87.15,46.96) ; v7(83.75,47.52) 83.52,47.29 v1(83.49,47.29) ; 82.63,68.5 82.69,68.57 v1(82.69,68.9) v7(83.09,68.9) v7(83.09,68.5) ; 82.63,68.5 v7(82.69,68.5) v7(83.09,68.5) ; 82.63,68.5 v1(82.29,68.5) v1(81.89,68.5) ; v7(87.71,53.74) v7(87.99,54.03) ; v7(87.71,53.74) v7(87.43,53.46) ; v7(87.71,53.74) v7(87.43,54.03) ; v7(75.89,70.5) v7(76.29,70.5) ; v7(91.67,55.44) v1(91.93,55.7) ; v1(91.95,46.67) 90.46,48.16 ; v1(77.09,61.3) 76.69,61.3 v4(76.66,61.26) ; v7(87.99,54.03) v7(87.71,54.31) ; v7(87.99,54.03) v7(88.28,54.31) ; v1(71.09,65.7) v1(71.09,65.3) ; v1(71.09,65.7) v1(70.69,65.7) ; v1(67.89,56.1) v7(68.28,56.1) ; v7(68.28,56.1) 68.29,56.08 v1(68.29,55.7) ; v7(68.28,56.1) v1(68.69,56.1) v7(69.04,56.1) ; U1000.D4 v7(83.09,56.5) ; 82.76,58.95 v2(82.76,58.95) ; 82.76,58.95 v7(82.76,58.9) ; 82.76,58.95 v7(82.76,59.31) v7(82.76,59.69) ; v7(77.09,59.7) v7(77.49,59.7) ; v7(77.09,59.7) v1(77.09,60.1) ; v7(73.89,58.5) 74.35,58.5 ; v1(71.49,62.1) v1(71.09,62.1) v7(70.72,62.1) U1000.V34 ; v1(71.49,62.1) v1(72.29,62.1) ; v7(87.71,54.31) v7(87.43,54.03) ; v7(87.71,54.31) v7(87.43,54.59) ; 88.37,55.35 v7(88.28,55.44) ; 88.37,55.35 v7(88.28,55.44) ; v7(88.28,55.44) v7(87.99,55.16) ; v7(79.89,56.1) v7(79.89,55.7) v1(80.29,55.7) ; v4(77.06,64.47) v4(77.06,64.87) ; v4(77.06,64.47) 77.43,64.1 ; 76.35,60.1 76.3,60.15 v4(76.3,60.45) ; 79.1,58.51 79.09,58.5 v1(78.69,58.5) ; 79.1,58.51 v1(79.1,58.09) ; v1(72.29,58.5) v1(72.69,58.5) v1(72.69,58.1) ; v1(72.29,58.5) v7(71.89,58.5) ; v7(82.76,58.9) v1(83.09,58.9) ; v5(59.05,87.12) 59.18,87 v1(59.85,87) v1(60.25,87) v1(60.65,87.39) v1(61.05,87) v5(61.72,87) ; v1(91.67,45.82) v1(91.95,45.54) ; v1(91.67,45.82) v1(91.39,45.54) ; v1(75.09,59.3) v1(75.49,59.3) ; v7(81.49,62.5) v1(82.29,62.5) ; v7(81.49,62.5) 81.49,63.15 ; v1(82.29,62.5) 82.84,62.5 82.86,62.53 82.87,62.53 82.9,62.5 v1(83.49,62.5) ; v1(82.29,62.5) v1(82.29,62.9) ; v7(69.89,70.9) v7(69.49,70.9) ; v7(69.89,70.9) v7(69.89,71.3) ; v7(77.49,70.9) v7(77.89,70.9) v7(77.89,70.5) ; U1000.P34 v7(71.09,60.5) ; v1(75.89,68.9) v1(76.29,68.9) v1(76.29,69.3) ; v1(75.89,68.9) v1(75.49,68.9) ; v7(69.09,58.9) v7(68.69,58.9) ; v7(69.09,58.9) U1000.K37 ; v7(69.09,58.9) v7(69.09,58.5) ; v7(68.69,58.9) v7(68.29,58.9) v7(68.29,58.5) ; v7(68.69,58.9) v7(68.69,58.5) ; v7(86.01,48.09) v1(85.73,48.37) ; v7(86.01,48.09) v1(86.3,47.8) ; v7(69.04,56.1) v7(69.49,56.1) ; v7(70.29,56.9) v1(70.69,56.9) v1(71.09,56.9) ; v7(70.29,56.9) 70.29,56.48 v1(70.29,56.48) 70.29,56.1 v7(70.29,56.1) v7(70.29,55.7) ; v7(84.32,49.78) v7(84.6,50.07) ; v7(84.32,49.78) v7(84.03,50.07) ; v4(77.09,65.3) v7(77.49,65.3) ; v7(86.3,52.9) v7(86.58,52.61) ; v7(86.3,52.9) v7(86.58,53.18) ; v7(86.58,52.61) v1(89.53,49.66) ; 71.45,66.1 71.96,66.1 ; 71.96,66.1 71.89,66.03 71.89,65.78 ; 71.96,66.1 U1000.AH29 ; v1(91.11,44.69) v1(90.82,44.98) ; v1(91.11,44.69) v1(91.39,44.98) ; v1(74.29,65.7) v1(74.69,65.7) ; v1(74.29,65.7) 74.29,65.33 v4(74.27,65.3) ; v1(94.78,48.37) v7(95.06,48.65) ; v1(94.78,48.37) v7(94.5,48.65) ; v7(68.29,68.5) U1000.AR40 U1000.AR41 ; v1(81.09,66.5) v7(81.09,66.1) ; v1(81.09,66.5) 81.09,66.84 v7(81.15,66.9) v1(81.49,66.9) ; v1(81.09,66.5) U1000.AJ7 ; v7(81.09,66.1) U1000.AH7 ; v7(81.09,66.1) v1(81.09,65.7) ; v7(68.29,58.5) v7(69.09,58.5) ; v7(68.29,58.5) v1(68.29,58.1) ; v1(75.49,65.7) v1(75.09,65.7) ; v1(75.09,67.3) v1(75.09,67.7) ; 81.49,63.15 v1(81.49,63.3) ; v1(78.69,58.5) v1(78.29,58.5) v1(77.89,58.5) v7(77.52,58.5) 77.49,58.52 v1(77.49,58.9) 77.49,59.16 77.44,59.22 77.44,59.5 77.49,59.56 v7(77.49,59.7) ; v1(78.69,58.5) v1(78.69,58.9) ; v7(79.49,71.3) v7(79.49,70.9) v7(79.49,70.5) v7(79.49,70.1) 79.49,69.79 v1(79.38,69.67) ; v1(79.49,64.5) v1(79.09,64.5) ; v7(85.17,52.33) v7(85.45,52.61) ; v7(94.5,49.22) v7(94.78,49.5) ; v1(80.69,63.7) v1(81.09,63.7) ; v1(80.69,63.7) v1(80.69,63.3) ; v1(71.09,65.3) v1(70.69,65.3) ; v1(70.69,65.3) v1(70.69,65.7) ; 90.68,45.69 85.48,50.88 85.44,50.88 ; 90.68,45.69 90.68,45.85 ; v1(85.73,48.37) v1(85.45,48.09) ; v1(85.73,48.37) v7(85.45,48.65) ; v7(68.29,62.1) v7(68.69,62.1) ; v1(81.49,65.3) v1(81.89,65.3) ; v1(81.49,65.3) v1(81.09,65.3) ; v1(69.49,68.1) v1(70.29,68.1) ; v1(87.71,46.39) v7(87.99,46.11) ; v7(86.86,54.03) v7(87.15,54.31) ; v7(86.86,54.03) v7(86.58,53.74) ; v1(70.69,68.1) v1(70.29,68.1) ; v4(74.27,65.3) 74.65,65.3 v4(74.68,65.28) ; v1(74.29,57.7) v1(74.29,58.1) ; v1(74.29,57.7) 74.22,57.63 v1(74.22,57.33) ; v1(74.29,58.1) 74.29,58.44 ; v7(82.29,70.9) v7(82.69,70.9) v1(82.69,70.5) v1(83.09,70.5) 83.1,70.51 v7(83.49,70.51) v7(83.49,70.9) ; v1(79.09,57.3) 79.1,57.3 v4(79.1,57.66) ; v1(79.09,57.3) v1(78.69,57.3) ; v1(79.09,64.5) v7(78.69,64.5) v1(78.69,64.9) ; v1(79.09,64.5) v1(79.09,64.9) ; v1(81.49,63.3) v1(81.49,63.7) ; v1(81.49,63.3) v1(81.09,63.3) ; v7(87.43,54.59) v7(87.15,54.31) ; v7(87.99,46.11) v7(87.71,45.82) ; v7(82.3,61.3) v7(82.3,60.9) ; v1(89.69,44.98) v7(89.41,45.26) ; v7(79.88,56.9) 79.5,56.9 v7(79.49,56.9) ; v1(69.89,57.3) v1(69.89,57.7) ; v1(86.3,47.8) v1(86.01,47.52) ; v4(79.1,57.66) v4(78.66,57.66) 78.69,57.63 v1(78.69,57.3) ; v4(79.1,57.66) v1(79.1,58.09) ; U1000.AH7 U1000.AJ7 ; v7(87.43,54.03) v7(87.15,54.31) ; v7(68.69,57.3) v7(68.29,57.3) v7(68.29,56.9) v7(68.69,56.9) ; v7(68.69,57.3) v7(68.69,56.9) ; v7(86.86,47.24) v7(87.15,46.96) ; v1(91.95,45.54) v1(91.67,45.26) ; v1(77.89,60.1) v1(78.29,60.1) 78.29,59.76 78.35,59.7 v7(78.69,59.7) v1(78.69,59.3) ; v1(77.89,60.1) v1(77.49,60.1) ; v1(77.89,60.1) v7(77.89,60.5) ; U1000.AE19 77.04,64.9 v4(77.06,64.87) ; v7(97.41,51.44) 97.54,51.56 v7(97.54,51.82) 97.54,51.86 v7(97.78,52.11) ; v1(40.44,60.47) 40.44,60.47 v1(40.84,60.07) v1(41.24,60.47) 41.8,60.47 v5(41.91,60.58) 41.91,61.32 v5(41.94,61.34) ; v1(81.49,63.7) v1(81.09,63.7) ; v1(81.49,63.7) 81.49,64.18 ; 69.89,63.33 v7(69.89,63.7) v1(69.49,63.7) ; v4(76.29,62.5) 76.29,62.09 v4(76.3,62.08) ; v4(76.29,62.5) v4(76.29,62.9) ; v4(76.29,62.5) v4(75.89,62.5) ; v1(77.49,64.1) 77.43,64.1 ; v1(80.69,65.71) 80.7,65.7 v1(81.09,65.7) ; v7(83.09,57.3) v7(83.09,57.7) v7(83.09,58.1) v7(82.69,58.1) v1(82.29,58.1) v1(81.89,58.1) v1(80.29,58.1) v1(79.89,58.1) ; v7(83.09,57.3) v7(83.49,57.3) v7(83.49,56.9) ; v7(77.09,69.7) v7(76.69,69.7) ; v7(76.69,69.7) v7(75.89,69.7) ; v7(76.69,69.7) v7(76.69,69.3) v1(76.29,69.3) ; v1(81.09,63.7) v1(81.09,63.3) ; v7(82.69,66.1) 82.69,66.49 v1(82.69,66.5) v1(82.29,66.5) ; v7(82.69,66.1) v7(82.69,65.7) ; v7(82.69,66.1) v7(83.49,66.1) ; v1(77.89,70.1) v7(77.89,70.5) ; v7(68.69,64.9) v7(68.69,65.3) ; v1(77.09,60.1) 76.73,60.1 v1(76.71,60.12) ; v1(77.09,60.1) v7(77.09,60.5) ; v1(77.09,60.1) v1(77.49,60.1) ; v1(78.69,64.9) v1(79.09,64.9) ; v7(77.09,56.9) v4(77.09,57.28) ; v7(77.09,56.9) v7(77.09,56.5) ; v1(80.69,58.5) v1(81.09,58.5) ; v1(75.89,61.3) v1(75.49,61.3) ; v1(75.89,61.3) v7(75.89,61.7) ; v7(95.06,52.05) v1(95.3,52.28) ; v7(82.69,65.7) v7(83.09,65.7) v7(83.09,66.1) ; v1(79.1,58.09) 79.11,58.1 v1(79.49,58.1) v1(79.89,58.1) ; v1(81.09,57.7) v1(81.09,58.5) ; v1(81.09,57.7) v1(81.09,57.3) ; 75.49,60.88 v1(75.49,61.3) ; v1(71.49,68.5) v1(71.89,68.5) v1(71.89,68.1) ; v1(71.49,68.5) v7(71.49,67.7) v7(71.89,67.7) v1(71.89,68.1) ; v1(75.49,61.3) v7(75.09,61.3) ; v4(79.89,58.5) v1(79.89,58.1) ; v7(92.52,54.59) v4(92.81,54.89) ; v1(78.29,57.3) 78.29,56.6 ; v1(78.29,57.3) v1(78.69,57.3) ; v1(81.09,63.3) v1(80.69,63.3) ; v1(74.69,65.7) v1(75.09,65.7) ; v1(74.69,65.7) 74.69,65.29 v4(74.68,65.28) ; v1(80.69,57.3) v1(81.09,57.3) ; v1(80.69,57.3) v1(80.69,56.9) v7(80.69,56.5) v1(80.69,56.1) ; v7(68.69,62.1) v7(69.09,62.1) ; v1(78.69,59.3) v1(78.69,58.9) ; v7(77.89,60.9) v7(77.89,60.5) ; v7(83.09,68.5) U1000.AP2 ; v1(81.09,70.1) v7(81.09,70.5) ; v1(81.09,70.1) v1(80.69,70.1) v7(80.69,70.5) ; v7(87.43,47.24) v7(87.15,46.96) ; v7(87.43,47.24) 88.82,48.63 ; v1(92.52,47.24) 91.03,48.73 ; v1(82.06,46.43) v1(81.73,46.43) ; 70.02,68.5 v4(69.95,68.43) 69.93,68.4 v1(69.93,68.12) ; v7(89.13,44.98) v7(88.84,45.26) ; v7(89.13,44.98) v7(89.41,45.26) ; v1(81.89,68.5) v1(81.89,68.1) ; v1(79.89,63.3) v1(79.49,63.3) ; v1(79.89,63.3) v1(80.29,63.3) ; v7(87.99,55.16) v1(88.28,54.88) ; v1(80.34,60.1) U1000.N9 ; v1(91.67,45.26) v1(91.39,45.54) ; v1(91.67,45.26) v1(91.39,44.98) ; v1(80.69,63.3) v1(80.29,63.3) ; v1(81.09,65.7) v1(81.09,65.3) ; v7(81.49,57.3) v1(81.49,58.5) ; v7(81.49,57.3) v1(81.09,57.3) ; v1(81.49,58.5) v1(81.09,58.5) ; v1(81.49,58.5) v1(81.89,58.5) ; v7(81.09,70.5) v7(80.69,70.5) ; v7(84.86,43.72) 84.45,43.72 v1(84.23,43.94) 84.23,43.96 v7(84.4,44.13) 84.45,44.13 ; v7(84.86,43.72) 84.45,44.13 ; v7(84.86,43.72) 84.96,43.82 v7(84.96,44.07) 84.84,44.2 84.52,44.2 84.45,44.13 ; v1(92.52,46.11) v1(92.8,46.39) ; v7(82.76,59.69) 82.3,59.69 v7(82.29,59.7) v1(82.29,59.3) ; 74.29,58.44 v4(74.32,58.47) 74.35,58.5 ; v1(76.29,63.7) v4(76.29,63.3) ; v1(76.29,63.7) v1(76.69,63.7) ; v4(76.29,63.3) v4(76.29,62.9) ; v1(82.29,59.3) v1(81.89,59.3) ; v1(77.49,60.1) v7(77.49,59.7) ; 82.29,69.77 v7(82.36,69.7) v1(82.69,69.7) ; 82.29,69.77 v1(82.29,70.1) ; U1000.J24 74.35,58.5 ; v7(86.58,53.74) v7(86.3,53.46) ; v7(69.89,55.7) v7(70.29,55.7) ; v7(70.29,55.7) v7(70.69,55.7) ; v7(75.89,61.7) 76.27,61.7 76.29,61.67 ; 81.49,67.36 v1(81.49,66.9) ; v1(81.49,66.9) U1000.AJ7 ; v1(81.49,66.9) v1(81.89,66.9) v1(81.89,68.1) ; v4(85.96,44.69) 86.01,44.69 v7(86.3,44.98) ; v1(81.09,57.3) v7(81.09,56.9) ; v7(89.13,45.54) v7(89.41,45.26) ; v7(89.13,45.54) v7(88.84,45.26) ; v1(82.29,64.1) v7(81.89,64.1) ; v7(94.22,50.07) v7(93.93,50.35) ; v7(69.49,56.1) U1000.C37 ; v7(85.45,45.82) v4(85.15,45.53) ; v7(86.3,53.46) v7(86.58,53.18) ; v4(78.21,65.22) 78.29,65.14 v1(78.29,64.9) ; v4(94.5,53.23) 94.5,53.18 v7(94.22,52.9) ; v7(80.69,70.9) v1(80.69,71.3) ; v7(80.69,70.9) v7(80.69,70.5) ; v7(78.69,56.1) v7(78.69,55.7) ; 71.45,58.5 71.19,58.5 v4(71.15,58.53) ; v7(82.05,49.22) v4(81.76,48.92) ; v1(60.25,87.4) U2302.B2 v1(60.65,87) U2302.B4 v1(61.05,87.4) 61.61,87.4 v5(61.72,87.5) 61.72,88.24 v5(61.75,88.27) ; v4(59.51,58.47) 59.6,58.38 ; 54.74,78.07 64.55,78.07 v7(67.69,74.93) v4(68.91,73.71) ; v5(39.24,60.2) 39.37,60.07 U2301.C1 v1(40.07,60.07) v1(40.44,60.07) v1(40.84,60.47) v1(41.24,60.07) v5(41.91,60.07) ; U3700.A15 v4(93.66,54.04) ; v7(84.6,46.67) v4(84.3,46.38) ; v7(83.89,55.3) v1(83.49,55.3) ; v5(41.91,47.5) 41.8,47.39 v1(41.24,47.39) v1(40.84,46.99) U2300.B2 ; v7(89.97,57.14) v4(90.27,57.43) ; 94.97,54.71 v7(94.97,54.87) v7(95.18,54.67) v7(95.39,54.45) 95.17,54.23 v7(95.12,54.23) 94.87,54.23 v7(94.74,54.36) 94.74,54.48 v7(94.87,54.61) 94.97,54.71